# Altium PCB Mag256_9mm.PcbDoc (part 3 of 6)
Units mm, origin at the board's own origin, x right, y up, seen from the top; angles counter-clockwise.
Board outline 174.75 x 142 mm, 6 copper layers (L1 (SIG), L2 (GND), L3 (SIG), L4 (GND), L5 (PWR), L6 (SIG)), stack 1.597 mm thick; 756 components, 438 nets, 2517 pads, 2145 vias.
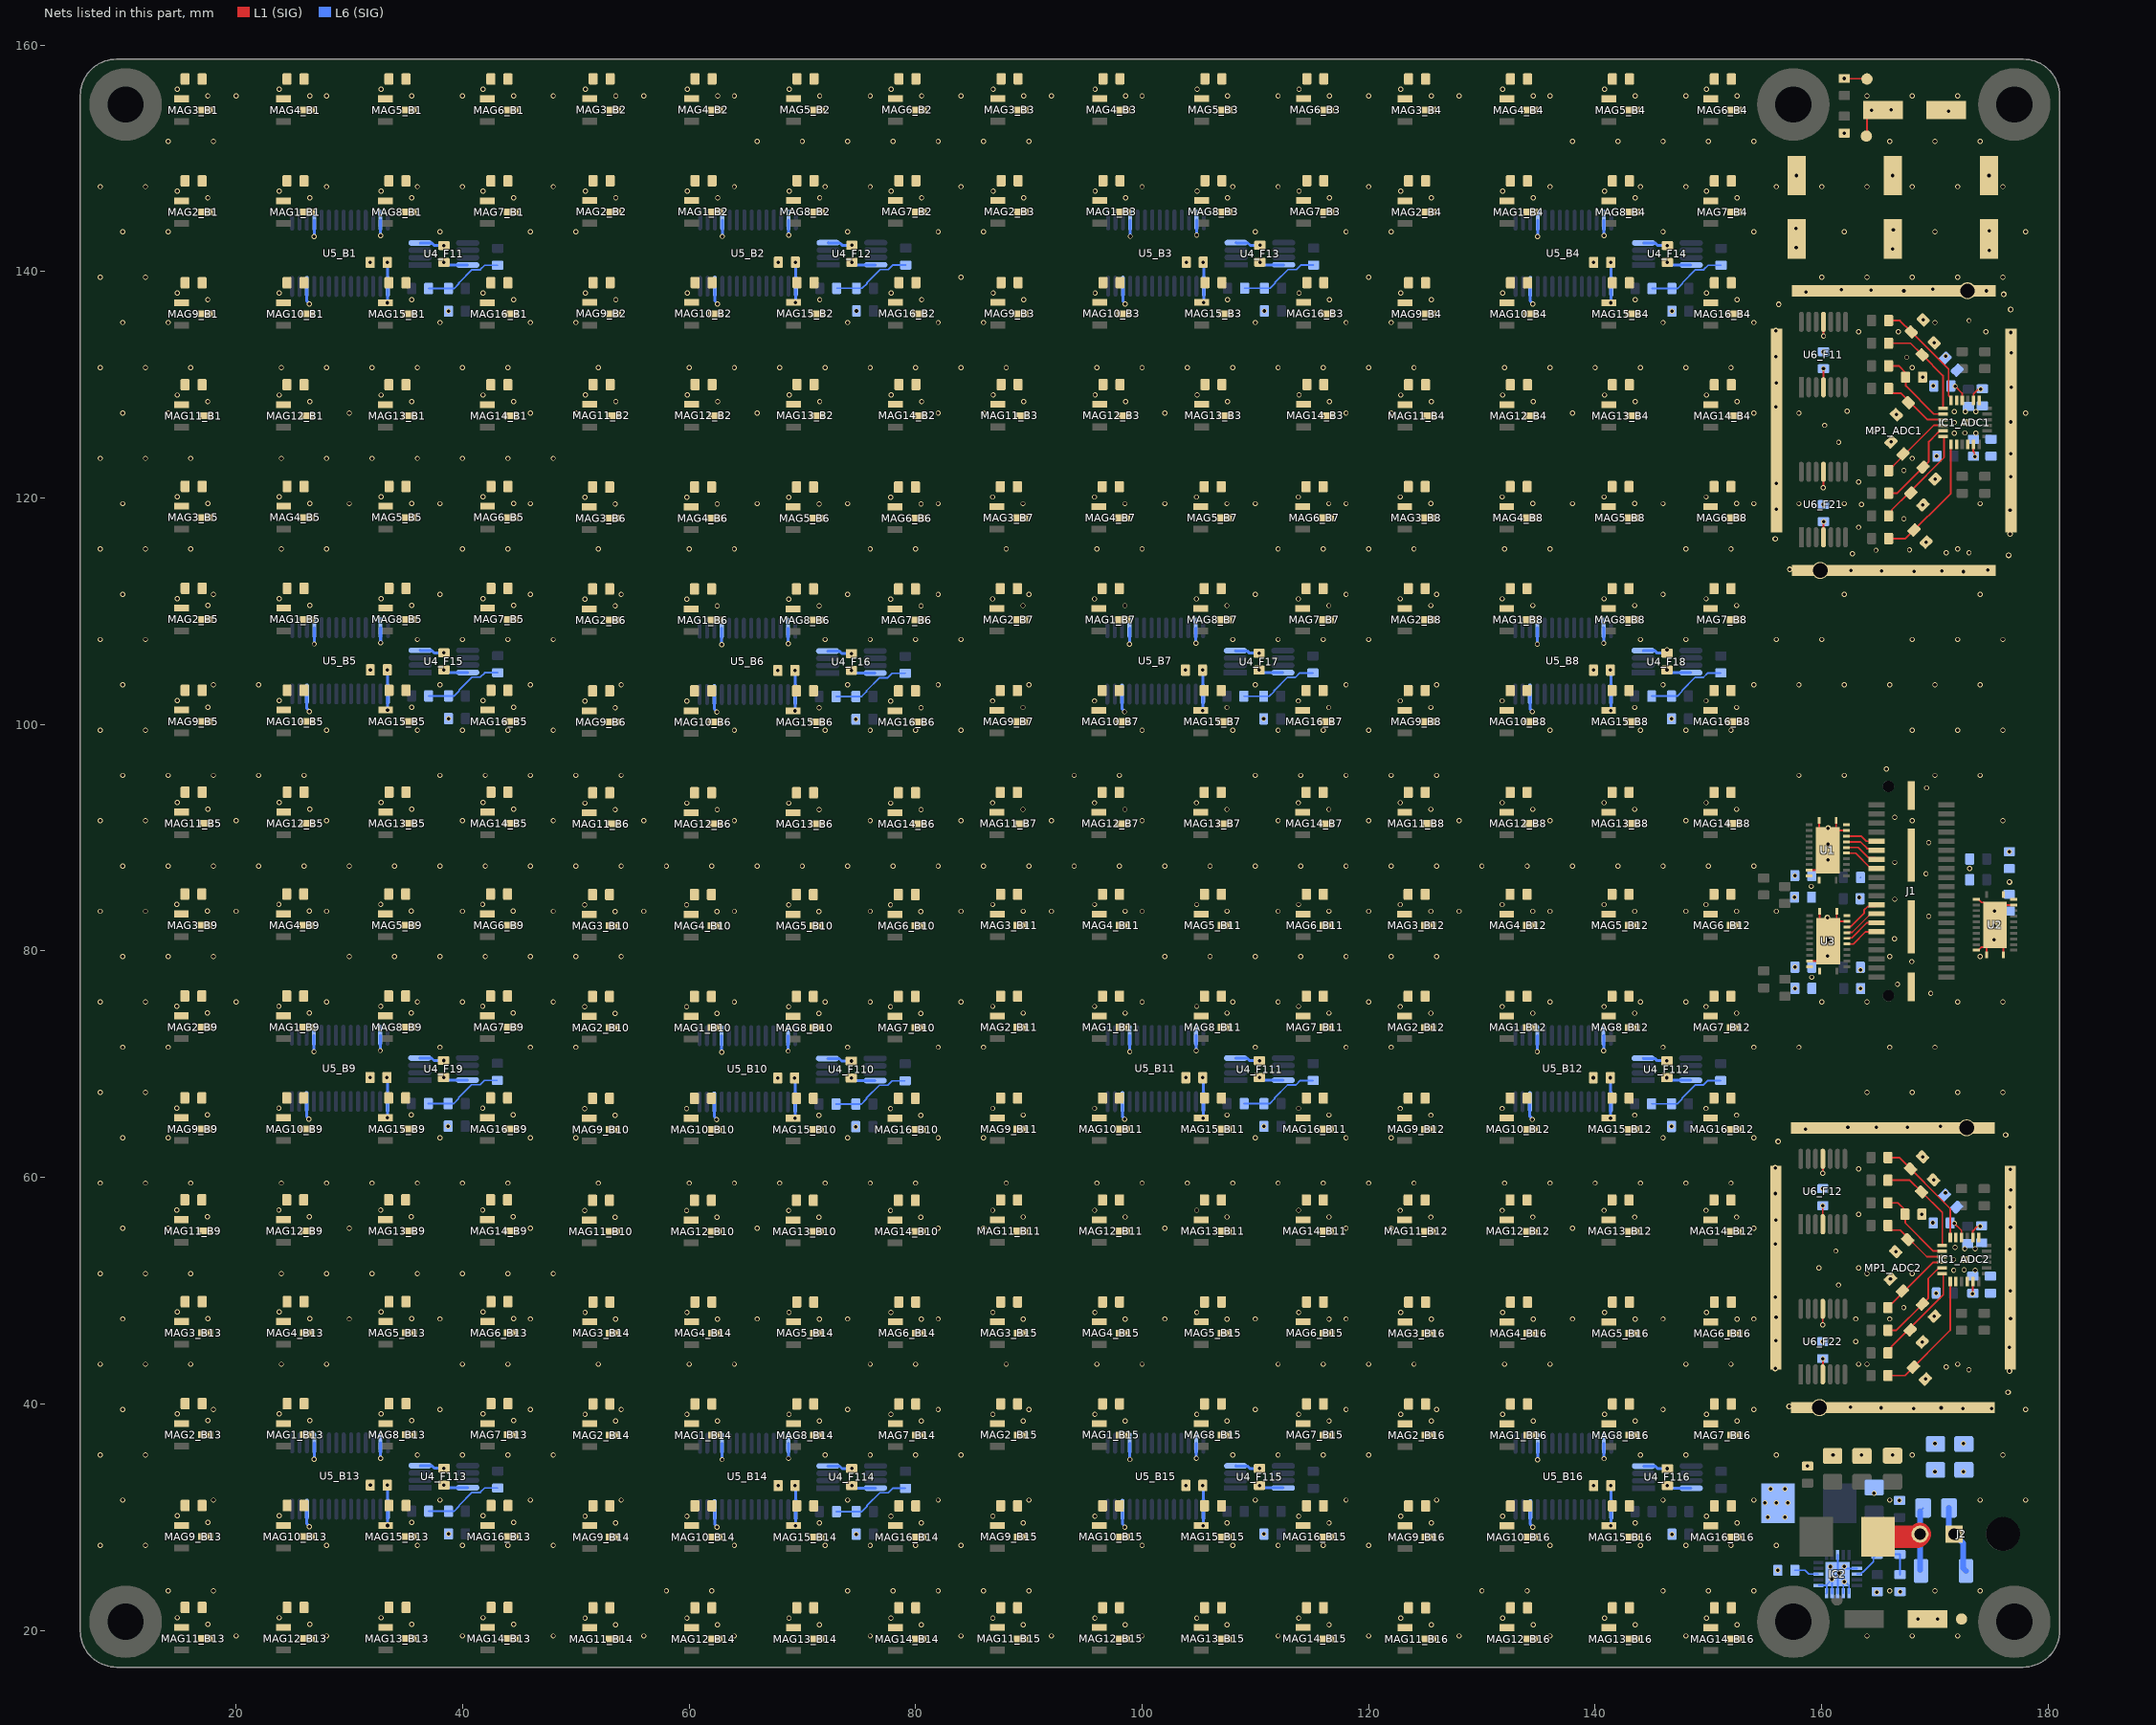
[diagram p7: the nets of this part, all layers, seen from the top]

## Via types
v1: diameter 0.45, hole 0.3, L1 (SIG) to L6 (SIG), 2060 vias
v2: diameter 0.5, hole 0.3, L1 (SIG) to L6 (SIG), 85 vias

## Nets (pads, with @x,y where several pads share a name; then routed paths per layer and width w, separated by ;. In a path a pad name is that pad's centre, name@x,y a point inside that pad or via, vN(x,y) a via of type N, cw(c..) or ccw(c..) an arc to the next point about the centre after c; other vN are vias at no path point) (continued)
+3V3: C1_B1.1 C1_B2.1 C1_B3.1 C1_B4.1 C1_B5.1 C1_B6.1 C1_B7.1 C1_B8.1 C1_B9.1 C1_B10.1 C1_B11.1 C1_B12.1 C1_B13.1 C1_B14.1 C1_B15.1 C1_B16.1 C2_B1.1 C2_B2.1 C2_B3.1 C2_B4.1 C2_B5.1 C2_B6.1 C2_B7.1 C2_B8.1 C2_B9.1 C2_B10.1 C2_B11.1 C2_B12.1 C2_B13.1 C2_B14.1 C2_B15.1 C2_B16.1 C3_B1.1 C3_B2.1 C3_B3.1 C3_B4.1 C3_B5.1 C3_B6.1 C3_B7.1 C3_B8.1 C3_B9.1 C3_B10.1 C3_B11.1 C3_B12.1 C3_B13.1 C3_B14.1 C3_B15.1 C3_B16.1 C4_B1.1 C4_B2.1 C4_B3.1 C4_B4.1 C4_B5.1 C4_B6.1 C4_B7.1 C4_B8.1 C4_B9.1 C4_B10.1 C4_B11.1 C4_B12.1 C4_B13.1 C4_B14.1 C4_B15.1 C4_B16.1 C5_B1.1 C5_B2.1 C5_B3.1 C5_B4.1 C5_B5.1 C5_B6.1 C5_B7.1 C5_B8.1 C5_B9.1 C5_B10.1 C5_B11.1 C5_B12.1 C5_B13.1 C5_B14.1 C5_B15.1 C5_B16.1 C6_B1.1 C6_B2.1 C6_B3.1 C6_B4.1 C6_B5.1 C6_B6.1 C6_B7.1 C6_B8.1 C6_B9.1 C6_B10.1 C6_B11.1 C6_B12.1 C6_B13.1 C6_B14.1 C6_B15.1 C6_B16.1 C7_B1.1 C7_B2.1 C7_B3.1 C7_B4.1 C7_B5.1 C7_B6.1 C7_B7.1 C7_B8.1 C7_B9.1 C7_B10.1 C7_B11.1 C7_B12.1 C7_B13.1 C7_B14.1 C7_B15.1 C7_B16.1 C8_B1.1 C8_B2.1 C8_B3.1 C8_B4.1 C8_B5.1 C8_B6.1 C8_B7.1 C8_B8.1 C8_B9.1 C8_B10.1 C8_B11.1 C8_B12.1 C8_B13.1 C8_B14.1 C8_B15.1 C8_B16.1 C9_B1.1 C9_B2.1 C9_B3.1 C9_B4.1 C9_B5.1 C9_B6.1 C9_B7.1 C9_B8.1 C9_B9.1 C9_B10.1 C9_B11.1 C9_B12.1 C9_B13.1 C9_B14.1 C9_B15.1 C9_B16.1 C10_B1.1 C10_B2.1 C10_B3.1 C10_B4.1 C10_B5.1 C10_B6.1 C10_B7.1 C10_B8.1 C10_B9.1 C10_B10.1 C10_B11.1 C10_B12.1 C10_B13.1 C10_B14.1 C10_B15.1 C10_B16.1 C11_B1.1 C11_B2.1 C11_B3.1 C11_B4.1 C11_B5.1 C11_B6.1 C11_B7.1 C11_B8.1 C11_B9.1 C11_B10.1 C11_B11.1 C11_B12.1 C11_B13.1 C11_B14.1 C11_B15.1 C11_B16.1 C12_B1.1 C12_B2.1 C12_B3.1 C12_B4.1 C12_B5.1 C12_B6.1 C12_B7.1 C12_B8.1 C12_B9.1 C12_B10.1 C12_B11.1 C12_B12.1 C12_B13.1 C12_B14.1 C12_B15.1 C12_B16.1 C13_B1.1 C13_B2.1 C13_B3.1 C13_B4.1 C13_B5.1 C13_B6.1 C13_B7.1 C13_B8.1 C13_B9.1 C13_B10.1 C13_B11.1 C13_B12.1 C13_B13.1 C13_B14.1 C13_B15.1 C13_B16.1 C14_B1.1 C14_B2.1 C14_B3.1 C14_B4.1 C14_B5.1 C14_B6.1 C14_B7.1 C14_B8.1 C14_B9.1 C14_B10.1 C14_B11.1 C14_B12.1 C14_B13.1 C14_B14.1 C14_B15.1 C14_B16.1 C15_B1.1 C15_B2.1 C15_B3.1 C15_B4.1 C15_B5.1 C15_B6.1 C15_B7.1 C15_B8.1 C15_B9.1 C15_B10.1 C15_B11.1 C15_B12.1 C15_B13.1 C15_B14.1 C15_B15.1 C15_B16.1 C16_B1.1 C16_B2.1 C16_B3.1 C16_B4.1 C16_B5.1 C16_B6.1 C16_B7.1 C16_B8.1 C16_B9.1 C16_B10.1 C16_B11.1 C16_B12.1 C16_B13.1 C16_B14.1 C16_B15.1 C16_B16.1 C17_B1.2 C17_B2.2 C17_B3.2 C17_B4.2 C17_B5.2 C17_B6.2 C17_B7.2 C17_B8.2 C17_B9.2 C17_B10.2 C17_B11.2 C17_B12.2 C17_B13.2 C17_B14.2 C17_B15.2 C17_B16.2 C19_ADC1.2 C19_ADC2.2 C20_ADC1.2 C20_ADC2.2 C21_ADC1.2 C21_ADC2.2 C22_ADC1.2 C22_ADC2.2 C24_ADC1.2 C24_ADC2.2 C27.2 C28.2 C31.2 C32.2 C35.2 C36.2 C46.2 C47.2 C49.1 C50.1 C51.1 C52.1 C54_F11.2 C54_F12.2 C54_F13.2 C54_F14.2 C54_F15.2 C54_F16.2 C54_F17.2 C54_F18.2 C54_F19.2 C54_F110.2 C54_F111.2 C54_F112.2 C54_F113.2 C54_F114.2 C54_F115.2 C54_F116.2 C60_F11.2 C60_F12.2 C60_F21.2 C60_F22.2 IC1_ADC1.2 IC1_ADC1.4 IC1_ADC1.17 IC1_ADC2.2 IC1_ADC2.4 IC1_ADC2.17 L2.1 MAG1_B1.1 MAG1_B2.1 MAG1_B3.1 MAG1_B4.1 MAG1_B5.1 MAG1_B6.1 MAG1_B7.1 MAG1_B8.1 MAG1_B9.1 MAG1_B10.1 MAG1_B11.1 MAG1_B12.1 MAG1_B13.1 MAG1_B14.1 MAG1_B15.1 MAG1_B16.1 MAG2_B1.1 MAG2_B2.1 MAG2_B3.1 MAG2_B4.1 MAG2_B5.1 MAG2_B6.1 MAG2_B7.1 MAG2_B8.1 MAG2_B9.1 MAG2_B10.1 MAG2_B11.1 MAG2_B12.1 MAG2_B13.1 MAG2_B14.1 MAG2_B15.1 MAG2_B16.1 MAG3_B1.1 MAG3_B2.1 MAG3_B3.1 MAG3_B4.1 MAG3_B5.1 MAG3_B6.1 MAG3_B7.1 MAG3_B8.1 MAG3_B9.1 MAG3_B10.1 MAG3_B11.1 MAG3_B12.1 MAG3_B13.1 MAG3_B14.1 MAG3_B15.1 MAG3_B16.1 MAG4_B1.1 MAG4_B2.1 MAG4_B3.1 MAG4_B4.1 MAG4_B5.1 MAG4_B6.1 MAG4_B7.1 MAG4_B8.1 MAG4_B9.1 MAG4_B10.1 MAG4_B11.1 MAG4_B12.1 MAG4_B13.1 MAG4_B14.1 MAG4_B15.1 MAG4_B16.1 MAG5_B1.1 MAG5_B2.1 MAG5_B3.1 MAG5_B4.1 MAG5_B5.1 MAG5_B6.1 MAG5_B7.1 MAG5_B8.1 MAG5_B9.1 MAG5_B10.1 MAG5_B11.1 MAG5_B12.1 MAG5_B13.1 MAG5_B14.1 MAG5_B15.1 MAG5_B16.1 MAG6_B1.1 MAG6_B2.1 MAG6_B3.1 MAG6_B4.1 MAG6_B5.1 MAG6_B6.1 MAG6_B7.1 MAG6_B8.1 MAG6_B9.1 MAG6_B10.1 MAG6_B11.1 MAG6_B12.1 MAG6_B13.1 MAG6_B14.1 MAG6_B15.1 MAG6_B16.1 MAG7_B1.1 MAG7_B2.1 MAG7_B3.1 MAG7_B4.1 MAG7_B5.1 MAG7_B6.1 MAG7_B7.1 MAG7_B8.1 MAG7_B9.1 MAG7_B10.1 MAG7_B11.1 MAG7_B12.1 MAG7_B13.1 MAG7_B14.1 MAG7_B15.1 MAG7_B16.1 MAG8_B1.1 MAG8_B2.1 MAG8_B3.1 MAG8_B4.1 MAG8_B5.1 MAG8_B6.1 MAG8_B7.1 MAG8_B8.1 MAG8_B9.1 MAG8_B10.1 MAG8_B11.1 MAG8_B12.1 MAG8_B13.1 MAG8_B14.1 MAG8_B15.1 MAG8_B16.1 MAG9_B1.1 MAG9_B2.1 MAG9_B3.1 MAG9_B4.1 MAG9_B5.1 MAG9_B6.1 MAG9_B7.1 MAG9_B8.1 MAG9_B9.1 MAG9_B10.1 MAG9_B11.1 MAG9_B12.1 MAG9_B13.1 MAG9_B14.1 MAG9_B15.1 MAG9_B16.1 MAG10_B1.1 MAG10_B2.1 MAG10_B3.1 MAG10_B4.1 MAG10_B5.1 MAG10_B6.1 MAG10_B7.1 MAG10_B8.1 MAG10_B9.1 MAG10_B10.1 MAG10_B11.1 MAG10_B12.1 MAG10_B13.1 MAG10_B14.1 MAG10_B15.1 MAG10_B16.1 MAG11_B1.1 MAG11_B2.1 MAG11_B3.1 MAG11_B4.1 MAG11_B5.1 MAG11_B6.1 MAG11_B7.1 MAG11_B8.1 MAG11_B9.1 MAG11_B10.1 MAG11_B11.1 MAG11_B12.1 MAG11_B13.1 MAG11_B14.1 MAG11_B15.1 MAG11_B16.1 MAG12_B1.1 MAG12_B2.1 MAG12_B3.1 MAG12_B4.1 MAG12_B5.1 MAG12_B6.1 MAG12_B7.1 MAG12_B8.1 MAG12_B9.1 MAG12_B10.1 MAG12_B11.1 MAG12_B12.1 MAG12_B13.1 MAG12_B14.1 MAG12_B15.1 MAG12_B16.1 MAG13_B1.1 MAG13_B2.1 MAG13_B3.1 MAG13_B4.1 MAG13_B5.1 MAG13_B6.1 MAG13_B7.1 MAG13_B8.1 MAG13_B9.1 MAG13_B10.1 MAG13_B11.1 MAG13_B12.1 MAG13_B13.1 MAG13_B14.1 MAG13_B15.1 MAG13_B16.1 MAG14_B1.1 MAG14_B2.1 MAG14_B3.1 MAG14_B4.1 MAG14_B5.1 MAG14_B6.1 MAG14_B7.1 MAG14_B8.1 MAG14_B9.1 MAG14_B10.1 MAG14_B11.1 MAG14_B12.1 MAG14_B13.1 MAG14_B14.1 MAG14_B15.1 MAG14_B16.1 MAG15_B1.1 MAG15_B2.1 MAG15_B3.1 MAG15_B4.1 MAG15_B5.1 MAG15_B6.1 MAG15_B7.1 MAG15_B8.1 MAG15_B9.1 MAG15_B10.1 MAG15_B11.1 MAG15_B12.1 MAG15_B13.1 MAG15_B14.1 MAG15_B15.1 MAG15_B16.1 MAG16_B1.1 MAG16_B2.1 MAG16_B3.1 MAG16_B4.1 MAG16_B5.1 MAG16_B6.1 MAG16_B7.1 MAG16_B8.1 MAG16_B9.1 MAG16_B10.1 MAG16_B11.1 MAG16_B12.1 MAG16_B13.1 MAG16_B14.1 MAG16_B15.1 MAG16_B16.1 R10.2 R12.1 TP3.1 U1.23 U1.24 U2.23 U2.24 U3.23 U3.24 U4_F11.8 U4_F12.8 U4_F13.8 U4_F14.8 U4_F15.8 U4_F16.8 U4_F17.8 U4_F18.8 U4_F19.8 U4_F110.8 U4_F111.8 U4_F112.8 U4_F113.8 U4_F114.8 U4_F115.8 U4_F116.8 U5_B1.1 U5_B1.18 U5_B2.1 U5_B2.18 U5_B3.1 U5_B3.18 U5_B4.1 U5_B4.18 U5_B5.1 U5_B5.18 U5_B6.1 U5_B6.18 U5_B7.1 U5_B7.18 U5_B8.1 U5_B8.18 U5_B9.1 U5_B9.18 U5_B10.1 U5_B10.18 U5_B11.1 U5_B11.18 U5_B12.1 U5_B12.18 U5_B13.1 U5_B13.18 U5_B14.1 U5_B14.18 U5_B15.1 U5_B15.18 U5_B16.1 U5_B16.18 U6_F11.4 U6_F12.4 U6_F21.4 U6_F22.4 | length 133.1
  L1 (SIG) w0.152: U6_F22.4@160.1,42.609 160.105,42.614 160.105,43.985 v1(160.111,43.99) ; U6_F12.4@160.1,55.859 v1(160.1,57.5) ; U6_F21.4@160.156,116.527 160.161,116.533 160.161,117.904 v1(160.167,117.909) ; U6_F11.4@160.156,129.777 v1(160.156,131.419) ; TP3.1@163.723,152.014 TP3.1@163.823,152.014 ; C49.1@163.795,153.645 v2(164.4,154.25) ; TP3.1@164,152.25 164,153.5 164.37,153.87 164.575,154.075 164.95,154.45 C49.1@164.95,154.5 ; v1(171.725,55.95) 172.35,55.325 IC1_ADC2.4@172.35,54.7 ; v1(171.781,129.869) 172.406,129.244 IC1_ADC1.4@172.406,128.619 ; v1(173.312,49.726) 173.331,49.745 173.331,50.781 IC1_ADC2.17@173.35,50.8 ; IC1_ADC2.2@173.35,54.7 173.35,55.27 173.713,55.633 173.928,55.633 v1(173.985,55.69) ; IC1_ADC1.17@173.406,124.719 173.387,124.7 173.387,124.111 173.487,124.011 173.487,123.701 v1(173.544,123.645) ; IC1_ADC1.2@173.406,128.619 173.406,129.188 173.77,129.552 173.985,129.552 v1(174.041,129.609)
  L6 (SIG) w0.254: v1(26.875,71.109) U5_B9.18@26.874,72.553 ; v1(26.902,143.089) U5_B1.18@26.901,144.533 ; v1(26.907,35.11) U5_B13.18@26.906,36.554 ; v1(26.908,107.109) U5_B5.18@26.907,108.553 ; v1(33.323,68.82) 33.323,68.767 33.363,68.727 U5_B9.1@33.363,66.715 ; v1(33.347,65.257) 33.361,65.271 33.361,66.689 U5_B9.1@33.374,66.703 ; v1(33.35,140.8) 33.35,140.747 33.39,140.707 U5_B1.1@33.39,138.695 ; v1(33.355,32.821) 33.355,32.768 33.395,32.728 U5_B13.1@33.395,30.716 ; v1(33.356,104.82) 33.356,104.767 33.396,104.727 U5_B5.1@33.396,102.715 ; v1(33.374,137.237) 33.388,137.251 33.388,138.669 U5_B1.1@33.401,138.683 ; v1(33.379,29.258) 33.392,29.272 33.392,30.69 U5_B13.1@33.406,30.704 ; v1(33.38,101.257) 33.393,101.271 33.393,102.689 U5_B5.1@33.407,102.703 ; v1(38.323,68.82) 38.376,68.82 38.601,68.595 U4_F19.8@40.423,68.595 ; v1(38.35,140.8) 38.403,140.8 38.628,140.575 U4_F11.8@40.45,140.575 ; v1(38.355,32.821) 38.408,32.821 38.633,32.596 U4_F113.8@40.455,32.596 ; v1(38.356,104.82) 38.409,104.82 38.634,104.595 U4_F15.8@40.456,104.595 ; v1(62.876,71.066) U5_B10.18@62.875,72.51 ; v1(62.885,107.054) U5_B6.18@62.885,108.498 ; v1(62.913,35.08) U5_B14.18@62.913,36.524 ; v1@62.93,143.107 U5_B2.18@62.93,144.551 ; v1(69.324,68.777) 69.324,68.724 69.364,68.684 U5_B10.1@69.364,66.672 ; v1(69.333,104.765) 69.333,104.712 69.373,104.672 U5_B6.1@69.373,102.66 ; v1(69.348,65.214) 69.362,65.228 69.362,66.646 U5_B10.1@69.375,66.66 ; v1(69.357,101.202) 69.371,101.216 69.371,102.634 U5_B6.1@69.385,102.648 ; v1(69.362,32.791) 69.362,32.738 69.401,32.698 U5_B14.1@69.401,30.685 ; v1(69.379,140.818) 69.379,140.765 69.418,140.725 U5_B2.1@69.418,138.712 ; v1(69.385,29.227) 69.399,29.241 69.399,30.66 U5_B14.1@69.413,30.674 ; v1(69.402,137.254) 69.416,137.268 69.416,138.687 U5_B2.1@69.43,138.701 ; v1(74.324,68.777) 74.377,68.777 74.602,68.552 U4_F110.8@76.424,68.552 ; v1(74.333,104.765) 74.386,104.765 74.611,104.54 U4_F16.8@76.434,104.54 ; v1(74.362,32.791) 74.415,32.791 74.64,32.566 U4_F114.8@76.462,32.566 ; v1(74.379,140.818) 74.432,140.818 74.657,140.593 U4_F12.8@76.479,140.593 ; v1(98.881,107.085) U5_B7.18@98.881,108.529 ; v1@98.907,71.095 U5_B11.18@98.907,72.54 ; v1(98.912,35.088) U5_B15.18@98.912,36.532 ; v1(98.949,143.108) U5_B3.18@98.949,144.552 ; v1(105.329,104.796) 105.329,104.743 105.369,104.704 U5_B7.1@105.369,102.691 ; v1(105.353,101.233) 105.367,101.247 105.367,102.665 U5_B7.1@105.381,102.679 ; v1(105.355,68.807) 105.355,68.754 105.395,68.714 U5_B11.1@105.395,66.701 ; v1(105.361,32.799) 105.361,32.746 105.4,32.706 U5_B15.1@105.4,30.694 ; v1(105.379,65.243) 105.393,65.257 105.393,66.676 U5_B11.1@105.407,66.69 ; v1(105.384,29.236) 105.398,29.25 105.398,30.668 U5_B15.1@105.412,30.682 ; v1(105.398,140.82) 105.398,140.766 105.437,140.727 U5_B3.1@105.437,138.714 ; v1(105.421,137.256) 105.435,137.27 105.435,138.689 U5_B3.1@105.449,138.702 ; v1(110.329,104.796) 110.382,104.796 110.607,104.571 U4_F17.8@112.43,104.571 ; v1(110.355,68.807) 110.408,68.807 110.633,68.582 U4_F111.8@112.456,68.582 ; v1(110.361,32.799) 110.414,32.799 110.639,32.574 U4_F115.8@112.461,32.574 ; v1(110.398,140.82) 110.451,140.82 110.676,140.595 U4_F13.8@112.498,140.595 ; v1(134.888,71.089) U5_B12.18@134.887,72.534 ; v1(134.893,107.09) U5_B8.18@134.893,108.534 ; v1(134.925,143.089) U5_B4.18@134.924,144.533 ; v1(134.926,35.072) U5_B16.18@134.926,36.517 ; v1(141.336,68.801) 141.336,68.747 141.376,68.708 U5_B12.1@141.376,66.695 ; v1(141.342,104.801) 141.342,104.748 141.381,104.708 U5_B8.1@141.381,102.696 ; v1(141.36,65.237) 141.374,65.251 141.374,66.67 U5_B12.1@141.387,66.684 ; v1(141.365,101.238) 141.379,101.252 141.379,102.67 U5_B8.1@141.393,102.684 ; v1(141.373,140.8) 141.373,140.747 141.413,140.707 U5_B4.1@141.413,138.695 ; v1(141.374,32.784) 141.374,32.731 141.414,32.691 U5_B16.1@141.414,30.678 ; v1(141.398,29.22) 141.412,29.234 141.412,30.653 U5_B16.1@141.426,30.667 ; v1(141.397,137.237) 141.41,137.251 141.41,138.669 U5_B4.1@141.424,138.683 ; v1(146.336,68.801) 146.389,68.801 146.614,68.576 U4_F112.8@148.436,68.576 ; v1(146.342,104.801) 146.395,104.801 146.62,104.576 U4_F18.8@148.442,104.576 ; v1(146.373,140.8) 146.426,140.8 146.651,140.575 U4_F14.8@148.473,140.575 ; v1(146.374,32.784) 146.427,32.784 146.652,32.559 U4_F116.8@148.474,32.559
  other v1: 50.82,21.08 59.82,21.08 68.82,21.08 77.82,21.08 122.833,21.073 131.833,21.073 140.833,21.073 149.833,21.073 86.819,21.088 95.819,21.088 104.819,21.088 113.819,21.088 14.814,21.11 23.814,21.11 32.814,21.11 41.814,21.11 164.879,23.375 155.25,30 156.75,30 50.82,30.08 59.82,30.08 77.82,30.08 86.819,30.088 95.819,30.088 113.819,30.088 122.833,30.073 131.833,30.073 149.833,30.073 14.814,30.11 23.814,30.11 41.814,30.11 155,31.25 156,31.25 157,31.25 155.5,32.5 156.75,32.5 170,36.5 172.5,36.5 50.82,39.08 59.82,39.08 68.82,39.08 77.82,39.08 86.819,39.088 95.819,39.088 104.819,39.088 113.819,39.088 122.833,39.073 131.833,39.073 140.833,39.073 149.833,39.073 14.814,39.11 23.814,39.11 32.814,39.11 41.814,39.11 50.82,48.08 59.82,48.08 68.82,48.08 77.82,48.08 122.833,48.073 131.833,48.073 140.833,48.073 149.833,48.073 86.819,48.088 95.819,48.088 104.819,48.088 113.819,48.088 14.814,48.11 23.814,48.11 32.814,48.11 41.814,48.11 50.783,57.066 59.783,57.066 68.783,57.066 77.783,57.066 86.814,57.096 95.814,57.096 104.814,57.096 113.814,57.096 122.795,57.089 131.795,57.089 140.795,57.089 149.795,57.089 14.782,57.109 23.782,57.109 32.782,57.109 41.782,57.109 50.783,66.066 59.783,66.066 77.783,66.066 14.782,66.109 23.782,66.109 41.782,66.109 86.814,66.096 95.814,66.096 113.814,66.096 122.795,66.089 131.795,66.089 149.795,66.089 98.907,71.095 50.783,75.066 59.783,75.066 68.783,75.066 77.783,75.066 86.814,75.096 95.814,75.096 104.814,75.096 113.814,75.096 122.795,75.089 131.795,75.089 140.795,75.089 149.795,75.089 14.782,75.109 23.782,75.109 32.782,75.109 41.782,75.109 159.133,77.676 50.783,84.066 59.783,84.066 68.783,84.066 77.783,84.066 86.814,84.096 95.814,84.096 104.814,84.096 113.814,84.096 122.795,84.089 131.795,84.089 140.795,84.089 149.795,84.089 14.782,84.109 23.782,84.109 32.782,84.109 41.782,84.109 159.083,85.701 50.792,93.054 59.792,93.054 68.792,93.054 77.792,93.054 86.788,93.085 95.788,93.085 104.788,93.085 113.788,93.085 14.815,93.109 23.815,93.109 32.815,93.109 41.815,93.109 122.8,93.09 131.8,93.09 140.8,93.09 149.8,93.09 50.792,102.054 59.792,102.054 77.792,102.054 86.788,102.085 95.788,102.085 113.788,102.085 122.8,102.09 131.8,102.09 149.8,102.09 14.815,102.109 23.815,102.109 41.815,102.109 50.792,111.054 59.792,111.054 68.792,111.054 77.792,111.054 86.788,111.085 95.788,111.085 104.788,111.085 113.788,111.085 122.8,111.09 131.8,111.09 140.8,111.09 149.8,111.09 14.815,111.109 23.815,111.109 32.815,111.109 41.815,111.109 50.792,120.054 59.792,120.054 68.792,120.054 77.792,120.054 86.788,120.085 95.788,120.085 104.788,120.085 113.788,120.085 14.815,120.109 23.815,120.109 32.815,120.109 41.815,120.109 122.8,120.09 131.8,120.09 140.8,120.09 149.8,120.09 14.809,129.089 23.809,129.089 32.809,129.089 41.809,129.089 122.832,129.089 131.832,129.089 140.832,129.089 149.832,129.089 50.837,129.107 59.837,129.107 68.837,129.107 77.837,129.107 86.856,129.108 95.856,129.108 104.856,129.108 113.856,129.108 14.809,138.089 23.809,138.089 41.809,138.089 122.832,138.089 131.832,138.089 149.832,138.089 50.837,138.107 59.837,138.107 77.837,138.107 86.856,138.108 95.856,138.108 113.856,138.108 62.93,143.106 14.809,147.089 23.809,147.089 32.809,147.089 41.809,147.089 122.832,147.089 131.832,147.089 140.832,147.089 149.832,147.089 50.837,147.107 59.837,147.107 68.837,147.107 77.837,147.107 86.856,147.108 95.856,147.108 104.856,147.108 113.856,147.108 161.998,152.223 14.809,156.089 23.809,156.089 32.809,156.089 41.809,156.089 50.837,156.107 59.837,156.107 68.837,156.107 77.837,156.107 122.832,156.089 131.832,156.089 140.832,156.089 149.832,156.089 86.856,156.108 95.856,156.108 104.856,156.108 113.856,156.108
  other v2: 176.588,86.087 174.8,141.85 166.275,141.975 157.75,142.125 174.8,143.6 166.325,143.675 157.725,143.8 166.15,154.275
"A0a Out": J1.25 U1.6 | length 3.2
  L1 (SIG) w0.152: U1.6@162.176,88.637 162.992,88.637 164.341,87.288 J1.25@164.836,87.288
"A0b Out": J1.11 U3.6 | length 3.1
  L1 (SIG) w0.152: U3.6@162.226,80.612 162.802,80.612 163.877,81.688 J1.11@164.836,81.688
"A1a Out": J1.27 U1.7 | length 3.1
  L1 (SIG) w0.152: U1.7@162.176,89.137 163.208,89.137 164.102,88.242 164.682,88.242 J1.27@164.836,88.088
"A1b Out": J1.13 U3.7 | length 3.2
  L1 (SIG) w0.152: U3.7@162.226,81.112 162.274,81.161 162.66,81.161 163.987,82.488 J1.13@164.836,82.488
"A2a Out": J1.29 U1.8 | length 3
  L1 (SIG) w0.152: U1.8@162.176,89.637 163.413,89.637 164.007,89.042 164.682,89.042 J1.29@164.836,88.889
"A2b Out": J1.15 U3.8 | length 3.3
  L1 (SIG) w0.152: U3.8@162.226,81.612 162.252,81.638 162.691,81.638 164.341,83.288 J1.15@164.836,83.288
"A3a Out": J1.31 U1.9 | length 2.8
  L1 (SIG) w0.152: U1.9@162.176,90.137 163.479,90.137 163.927,89.689 J1.31@164.836,89.689
"A3b Out": J1.17 U3.9 | length 3.6
  L1 (SIG) w0.152: U3.9@162.226,82.112 162.274,82.161 162.585,82.161 163.742,83.318 163.742,83.593 164.083,83.934 164.682,83.934 J1.17@164.836,84.088
AINA0_ADC1: C57_F21.2 IC1_ADC1.13 R16_F21.1 | length 11.5
  L1 (SIG) w0.152: R16_F21.1@165.906,116.419 167.406,116.419 171.406,120.419 IC1_ADC1.13@171.406,124.719
AINA0_ADC2: C57_F22.2 IC1_ADC2.13 R16_F22.1 | length 11.5
  L1 (SIG) w0.152: R16_F22.1@165.85,42.5 167.35,42.5 171.35,46.5 IC1_ADC2.13@171.35,50.8
AINA1_ADC1: C56_F21.2 IC1_ADC1.12 R15_F21.1 | length 9.1
  L1 (SIG) w0.152: R15_F21.1@165.906,118.419 166.2,118.713 166.2,118.958 167.783,120.542 170.804,123.562 170.804,125.345 170.73,125.419 IC1_ADC1.12@170.706,125.419
AINA1_ADC2: C56_F22.2 IC1_ADC2.12 R15_F22.1 | length 9.1
  L1 (SIG) w0.152: R15_F22.1@165.85,44.5 166.144,44.794 166.144,45.04 167.727,46.623 170.747,49.643 170.747,51.426 170.674,51.5 IC1_ADC2.12@170.65,51.5
AINB0_ADC1: C58_F21.2 IC1_ADC1.11 R17_F21.1 | length 8.1
  L1 (SIG) w0.152: R17_F21.1@165.906,120.419 166.656,120.419 168.958,122.72 169.456,123.219 169.456,124.977 170.213,125.734 170.246,125.734 170.431,125.919 IC1_ADC1.11@170.706,125.919
AINB0_ADC2: C58_F22.2 IC1_ADC2.11 R17_F22.1 | length 8.1
  L1 (SIG) w0.152: R17_F22.1@165.85,46.5 166.6,46.5 168.902,48.802 169.4,49.3 169.4,51.058 170.157,51.815 170.19,51.815 170.375,52 IC1_ADC2.11@170.65,52
AINB1_ADC1: C59_F21.2 IC1_ADC1.10 R18_F21.1 | length 6.5
  L1 (SIG) w0.152: R18_F21.1@165.906,122.419 165.906,122.506 166.228,122.828 166.315,122.828 169.906,126.419 IC1_ADC1.10@170.706,126.419
AINB1_ADC2: C59_F22.2 IC1_ADC2.10 R18_F22.1 | length 6.5
  L1 (SIG) w0.152: R18_F22.1@165.85,48.5 165.85,48.587 166.172,48.909 166.259,48.909 169.85,52.5 IC1_ADC2.10@170.65,52.5
AINC0_ADC1: C57_F11.2 IC1_ADC1.9 R16_F11.1 | length 6
  L1 (SIG) w0.152: R16_F11.1@165.906,129.669 165.906,129.582 166.228,129.26 166.995,129.26 169.336,126.919 IC1_ADC1.9@170.706,126.919
AINC0_ADC2: C57_F12.2 IC1_ADC2.9 R16_F12.1 | length 6
  L1 (SIG) w0.152: R16_F12.1@165.85,55.75 165.85,55.663 166.172,55.341 166.939,55.341 169.28,53 IC1_ADC2.9@170.65,53
AINC1_ADC1: C56_F11.2 IC1_ADC1.8 R15_F11.1 | length 7.2
  L1 (SIG) w0.152: R15_F11.1@165.906,131.669 166.794,131.669 167.435,131.028 167.435,129.89 169.906,127.419 IC1_ADC1.8@170.706,127.419
AINC1_ADC2: C56_F12.2 IC1_ADC2.8 R15_F12.1 | length 7.2
  L1 (SIG) w0.152: R15_F12.1@165.85,57.75 166.738,57.75 167.379,57.109 167.379,55.971 169.85,53.5 IC1_ADC2.8@170.65,53.5
AIND0_ADC1: C58_F11.2 IC1_ADC1.7 R17_F11.1 | length 8.9
  L1 (SIG) w0.152: R17_F11.1@165.906,133.669 167.845,133.669 C58_F11.2@168.876,132.638 170.706,130.808 IC1_ADC1.7@170.706,127.919
AIND0_ADC2: C58_F12.2 IC1_ADC2.7 R17_F12.1 | length 8.9
  L1 (SIG) w0.152: R17_F12.1@165.85,59.75 167.789,59.75 C58_F12.2@168.82,58.72 170.65,56.889 IC1_ADC2.7@170.65,54
AIND1_ADC1: C59_F11.2 IC1_ADC1.6 R18_F11.1 | length 9.9
  L1 (SIG) w0.152: R18_F11.1@165.906,135.669 166.906,135.669 C59_F11.2@167.906,134.669 171.201,131.374 171.201,129.038 171.271,128.968 171.332,128.968 171.406,128.894 IC1_ADC1.6@171.406,128.619
AIND1_ADC2: C59_F12.2 IC1_ADC2.6 R18_F12.1 | length 9.9
  L1 (SIG) w0.152: R18_F12.1@165.85,61.75 166.85,61.75 171.35,57.25 IC1_ADC2.6@171.35,54.7
ATX_IN_K: C37.2 D1.K J2.2 L1.1 | length 9.6
  L1 (SIG) w2: L1.1@164.988,28.5 165.238,28.25 168.43,28.25 J2.2@168.68,28.5
  L6 (SIG) w0.152: D1.K@168.68,25.335 D1.K@168.765,25.25 ; C37.2@168.68,30.532 C37.2@168.951,30.803
  L6 (SIG) w0.5: D1.K@168.68,25.335 J2.2@168.68,28.5 C37.2@168.68,30.532
GND: C1_B1.2 C1_B2.2 C1_B3.2 C1_B4.2 C1_B5.2 C1_B6.2 C1_B7.2 C1_B8.2 C1_B9.2 C1_B10.2 C1_B11.2 C1_B12.2 C1_B13.2 C1_B14.2 C1_B15.2 C1_B16.2 C2_B1.2 C2_B2.2 C2_B3.2 C2_B4.2 C2_B5.2 C2_B6.2 C2_B7.2 C2_B8.2 C2_B9.2 C2_B10.2 C2_B11.2 C2_B12.2 C2_B13.2 C2_B14.2 C2_B15.2 C2_B16.2 C3_B1.2 C3_B2.2 C3_B3.2 C3_B4.2 C3_B5.2 C3_B6.2 C3_B7.2 C3_B8.2 C3_B9.2 C3_B10.2 C3_B11.2 C3_B12.2 C3_B13.2 C3_B14.2 C3_B15.2 C3_B16.2 C4_B1.2 C4_B2.2 C4_B3.2 C4_B4.2 C4_B5.2 C4_B6.2 C4_B7.2 C4_B8.2 C4_B9.2 C4_B10.2 C4_B11.2 C4_B12.2 C4_B13.2 C4_B14.2 C4_B15.2 C4_B16.2 C5_B1.2 C5_B2.2 C5_B3.2 C5_B4.2 C5_B5.2 C5_B6.2 C5_B7.2 C5_B8.2 C5_B9.2 C5_B10.2 C5_B11.2 C5_B12.2 C5_B13.2 C5_B14.2 C5_B15.2 C5_B16.2 C6_B1.2 C6_B2.2 C6_B3.2 C6_B4.2 C6_B5.2 C6_B6.2 C6_B7.2 C6_B8.2 C6_B9.2 C6_B10.2 C6_B11.2 C6_B12.2 C6_B13.2 C6_B14.2 C6_B15.2 C6_B16.2 C7_B1.2 C7_B2.2 C7_B3.2 C7_B4.2 C7_B5.2 C7_B6.2 C7_B7.2 C7_B8.2 C7_B9.2 C7_B10.2 C7_B11.2 C7_B12.2 C7_B13.2 C7_B14.2 C7_B15.2 C7_B16.2 C8_B1.2 C8_B2.2 C8_B3.2 C8_B4.2 C8_B5.2 C8_B6.2 C8_B7.2 C8_B8.2 C8_B9.2 C8_B10.2 C8_B11.2 C8_B12.2 C8_B13.2 C8_B14.2 C8_B15.2 C8_B16.2 C9_B1.2 C9_B2.2 C9_B3.2 C9_B4.2 C9_B5.2 C9_B6.2 C9_B7.2 C9_B8.2 C9_B9.2 C9_B10.2 C9_B11.2 C9_B12.2 C9_B13.2 C9_B14.2 C9_B15.2 C9_B16.2 C10_B1.2 C10_B2.2 C10_B3.2 C10_B4.2 C10_B5.2 C10_B6.2 C10_B7.2 C10_B8.2 C10_B9.2 C10_B10.2 C10_B11.2 C10_B12.2 C10_B13.2 C10_B14.2 C10_B15.2 C10_B16.2 C11_B1.2 C11_B2.2 C11_B3.2 C11_B4.2 C11_B5.2 C11_B6.2 C11_B7.2 C11_B8.2 C11_B9.2 C11_B10.2 C11_B11.2 C11_B12.2 C11_B13.2 C11_B14.2 C11_B15.2 C11_B16.2 C12_B1.2 C12_B2.2 C12_B3.2 C12_B4.2 C12_B5.2 C12_B6.2 C12_B7.2 C12_B8.2 C12_B9.2 C12_B10.2 C12_B11.2 C12_B12.2 C12_B13.2 C12_B14.2 C12_B15.2 C12_B16.2 C13_B1.2 C13_B2.2 C13_B3.2 C13_B4.2 C13_B5.2 C13_B6.2 C13_B7.2 C13_B8.2 C13_B9.2 C13_B10.2 C13_B11.2 C13_B12.2 C13_B13.2 C13_B14.2 C13_B15.2 C13_B16.2 C14_B1.2 C14_B2.2 C14_B3.2 C14_B4.2 C14_B5.2 C14_B6.2 C14_B7.2 C14_B8.2 C14_B9.2 C14_B10.2 C14_B11.2 C14_B12.2 C14_B13.2 C14_B14.2 C14_B15.2 C14_B16.2 C15_B1.2 C15_B2.2 C15_B3.2 C15_B4.2 C15_B5.2 C15_B6.2 C15_B7.2 C15_B8.2 C15_B9.2 C15_B10.2 C15_B11.2 C15_B12.2 C15_B13.2 C15_B14.2 C15_B15.2 C15_B16.2 C16_B1.2 C16_B2.2 C16_B3.2 C16_B4.2 C16_B5.2 C16_B6.2 C16_B7.2 C16_B8.2 C16_B9.2 C16_B10.2 C16_B11.2 C16_B12.2 C16_B13.2 C16_B14.2 C16_B15.2 C16_B16.2 C17_B1.1 C17_B2.1 C17_B3.1 C17_B4.1 C17_B5.1 C17_B6.1 C17_B7.1 C17_B8.1 C17_B9.1 C17_B10.1 C17_B11.1 C17_B12.1 C17_B13.1 C17_B14.1 C17_B15.1 C17_B16.1 C18_ADC1.1 C18_ADC2.1 C19_ADC1.1 C19_ADC2.1 C20_ADC1.1 C20_ADC2.1 C21_ADC1.1 C21_ADC2.1 C22_ADC1.1 C22_ADC2.1 C23_ADC1.1 C23_ADC2.1 C24_ADC1.1 C24_ADC2.1 C25.1 C26.1 C27.1 C28.1 C29.1 C30.1 C31.1 C32.1 C33.1 C34.1 C35.1 C36.1 C37.1 C38.1 C39.1 C40.1 C41.2 C42.1 C43.1 C44.1 C46.1 C47.1 C48.1 C49.2 C50.2 C51.2 C52.2 C54_F11.1 C54_F12.1 C54_F13.1 C54_F14.1 C54_F15.1 C54_F16.1 C54_F17.1 C54_F18.1 C54_F19.1 C54_F110.1 C54_F111.1 C54_F112.1 C54_F113.1 C54_F114.1 C54_F115.1 C54_F116.1 C55_F11.1 C55_F12.1 C55_F13.1 C55_F14.1 C55_F15.1 C55_F16.1 C55_F17.1 C55_F18.1 C55_F19.1 C55_F110.1 C55_F111.1 C55_F112.1 C55_F113.1 C55_F114.1 C55_F115.1 C55_F116.1 C56_F11.1 C56_F12.1 C56_F21.1 C56_F22.1 C57_F11.1 C57_F12.1 C57_F21.1 C57_F22.1 C58_F11.1 C58_F12.1 C58_F21.1 C58_F22.1 C59_F11.1 C59_F12.1 C59_F21.1 C59_F22.1 C60_F11.1 C60_F12.1 C60_F21.1 C60_F22.1 D1.A D2.K IC1_ADC1.1 IC1_ADC1.5 IC1_ADC1.14 IC1_ADC1.16 IC1_ADC1.25 IC1_ADC2.1 IC1_ADC2.5 IC1_ADC2.14 IC1_ADC2.16 IC1_ADC2.25 IC2.2 IC2.6 IC2.7 IC2.8 IC2.9 IC2.10 IC2.11 IC2.18 IC2.21 J1.P1 J1.P2 J1.P3 J1.P4 J2.1 MAG1_B1.3 MAG1_B2.3 MAG1_B3.3 MAG1_B4.3 MAG1_B5.3 MAG1_B6.3 MAG1_B7.3 MAG1_B8.3 MAG1_B9.3 MAG1_B10.3 MAG1_B11.3 MAG1_B12.3 MAG1_B13.3 MAG1_B14.3 MAG1_B15.3 MAG1_B16.3 MAG2_B1.3 MAG2_B2.3 MAG2_B3.3 MAG2_B4.3 MAG2_B5.3 MAG2_B6.3 MAG2_B7.3 MAG2_B8.3 MAG2_B9.3 MAG2_B10.3 MAG2_B11.3 MAG2_B12.3 MAG2_B13.3 MAG2_B14.3 MAG2_B15.3 MAG2_B16.3 MAG3_B1.3 MAG3_B2.3 MAG3_B3.3 MAG3_B4.3 MAG3_B5.3 MAG3_B6.3 MAG3_B7.3 MAG3_B8.3 MAG3_B9.3 MAG3_B10.3 MAG3_B11.3 MAG3_B12.3 MAG3_B13.3 MAG3_B14.3 MAG3_B15.3 MAG3_B16.3 MAG4_B1.3 MAG4_B2.3 MAG4_B3.3 MAG4_B4.3 MAG4_B5.3 MAG4_B6.3 MAG4_B7.3 MAG4_B8.3 MAG4_B9.3 MAG4_B10.3 MAG4_B11.3 MAG4_B12.3 MAG4_B13.3 MAG4_B14.3 MAG4_B15.3 MAG4_B16.3 MAG5_B1.3 MAG5_B2.3 MAG5_B3.3 MAG5_B4.3 MAG5_B5.3 MAG5_B6.3 MAG5_B7.3 MAG5_B8.3 MAG5_B9.3 MAG5_B10.3 MAG5_B11.3 MAG5_B12.3 MAG5_B13.3 MAG5_B14.3 MAG5_B15.3 MAG5_B16.3 MAG6_B1.3 MAG6_B2.3 MAG6_B3.3 MAG6_B4.3 MAG6_B5.3 MAG6_B6.3 MAG6_B7.3 MAG6_B8.3 MAG6_B9.3 MAG6_B10.3 MAG6_B11.3 MAG6_B12.3 MAG6_B13.3 MAG6_B14.3 MAG6_B15.3 MAG6_B16.3 MAG7_B1.3 MAG7_B2.3 MAG7_B3.3 MAG7_B4.3 MAG7_B5.3 MAG7_B6.3 MAG7_B7.3 MAG7_B8.3 MAG7_B9.3 MAG7_B10.3 MAG7_B11.3 MAG7_B12.3 MAG7_B13.3 MAG7_B14.3 MAG7_B15.3 MAG7_B16.3 MAG8_B1.3 MAG8_B2.3 MAG8_B3.3 MAG8_B4.3 MAG8_B5.3 MAG8_B6.3 MAG8_B7.3 MAG8_B8.3 MAG8_B9.3 MAG8_B10.3 MAG8_B11.3 MAG8_B12.3 MAG8_B13.3 MAG8_B14.3 MAG8_B15.3 MAG8_B16.3 MAG9_B1.3 MAG9_B2.3 MAG9_B3.3 MAG9_B4.3 MAG9_B5.3 MAG9_B6.3 MAG9_B7.3 MAG9_B8.3 MAG9_B9.3 MAG9_B10.3 MAG9_B11.3 MAG9_B12.3 MAG9_B13.3 MAG9_B14.3 MAG9_B15.3 MAG9_B16.3 MAG10_B1.3 MAG10_B2.3 MAG10_B3.3 MAG10_B4.3 MAG10_B5.3 MAG10_B6.3 MAG10_B7.3 MAG10_B8.3 MAG10_B9.3 MAG10_B10.3 MAG10_B11.3 MAG10_B12.3 MAG10_B13.3 MAG10_B14.3 MAG10_B15.3 MAG10_B16.3 MAG11_B1.3 MAG11_B2.3 MAG11_B3.3 MAG11_B4.3 MAG11_B5.3 MAG11_B6.3 MAG11_B7.3 MAG11_B8.3 MAG11_B9.3 MAG11_B10.3 MAG11_B11.3 MAG11_B12.3 MAG11_B13.3 MAG11_B14.3 MAG11_B15.3 MAG11_B16.3 MAG12_B1.3 MAG12_B2.3 MAG12_B3.3 MAG12_B4.3 MAG12_B5.3 MAG12_B6.3 MAG12_B7.3 MAG12_B8.3 MAG12_B9.3 MAG12_B10.3 MAG12_B11.3 MAG12_B12.3 MAG12_B13.3 MAG12_B14.3 MAG12_B15.3 MAG12_B16.3 MAG13_B1.3 MAG13_B2.3 MAG13_B3.3 MAG13_B4.3 MAG13_B5.3 MAG13_B6.3 MAG13_B7.3 MAG13_B8.3 MAG13_B9.3 MAG13_B10.3 MAG13_B11.3 MAG13_B12.3 MAG13_B13.3 MAG13_B14.3 MAG13_B15.3 MAG13_B16.3 MAG14_B1.3 MAG14_B2.3 MAG14_B3.3 MAG14_B4.3 MAG14_B5.3 MAG14_B6.3 MAG14_B7.3 MAG14_B8.3 MAG14_B9.3 MAG14_B10.3 MAG14_B11.3 MAG14_B12.3 MAG14_B13.3 MAG14_B14.3 MAG14_B15.3 MAG14_B16.3 MAG15_B1.3 MAG15_B2.3 MAG15_B3.3 MAG15_B4.3 MAG15_B5.3 MAG15_B6.3 MAG15_B7.3 MAG15_B8.3 MAG15_B9.3 MAG15_B10.3 MAG15_B11.3 MAG15_B12.3 MAG15_B13.3 MAG15_B14.3 MAG15_B15.3 MAG15_B16.3 MAG16_B1.3 MAG16_B2.3 MAG16_B3.3 MAG16_B4.3 MAG16_B5.3 MAG16_B6.3 MAG16_B7.3 MAG16_B8.3 MAG16_B9.3 MAG16_B10.3 MAG16_B11.3 MAG16_B12.3 MAG16_B13.3 MAG16_B14.3 MAG16_B15.3 MAG16_B16.3 MP1_ADC1.1 MP1_ADC2.1 R11.1 TP2.1 TP4.1 U1.10 U1.11 U1.12 U1.13 U1.22 U1.25 U2.2 U2.11 U2.12 U2.13 U2.22 U2.25 U3.10 U3.11 U3.12 U3.13 U3.22 U3.25 U4_F11.4 U4_F12.4 U4_F13.4 U4_F14.4 U4_F15.4 U4_F16.4 U4_F17.4 U4_F18.4 U4_F19.4 U4_F110.4 U4_F111.4 U4_F112.4 U4_F113.4 U4_F114.4 U4_F115.4 U4_F116.4 U5_B1.12 U5_B1.27 U5_B2.12 U5_B2.27 U5_B3.12 U5_B3.27 U5_B4.12 U5_B4.27 U5_B5.12 U5_B5.27 U5_B6.12 U5_B6.27 U5_B7.12 U5_B7.27 U5_B8.12 U5_B8.27 U5_B9.12 U5_B9.27 U5_B10.12 U5_B10.27 U5_B11.12 U5_B11.27 U5_B12.12 U5_B12.27 U5_B13.12 U5_B13.27 U5_B14.12 U5_B14.27 U5_B15.12 U5_B15.27 U5_B16.12 U5_B16.27 U6_F11.11 U6_F12.11 U6_F21.11 U6_F22.11 | length 141.7